# KiCad board CTS-SAT-2-OBC-PCB.kicad_pcb
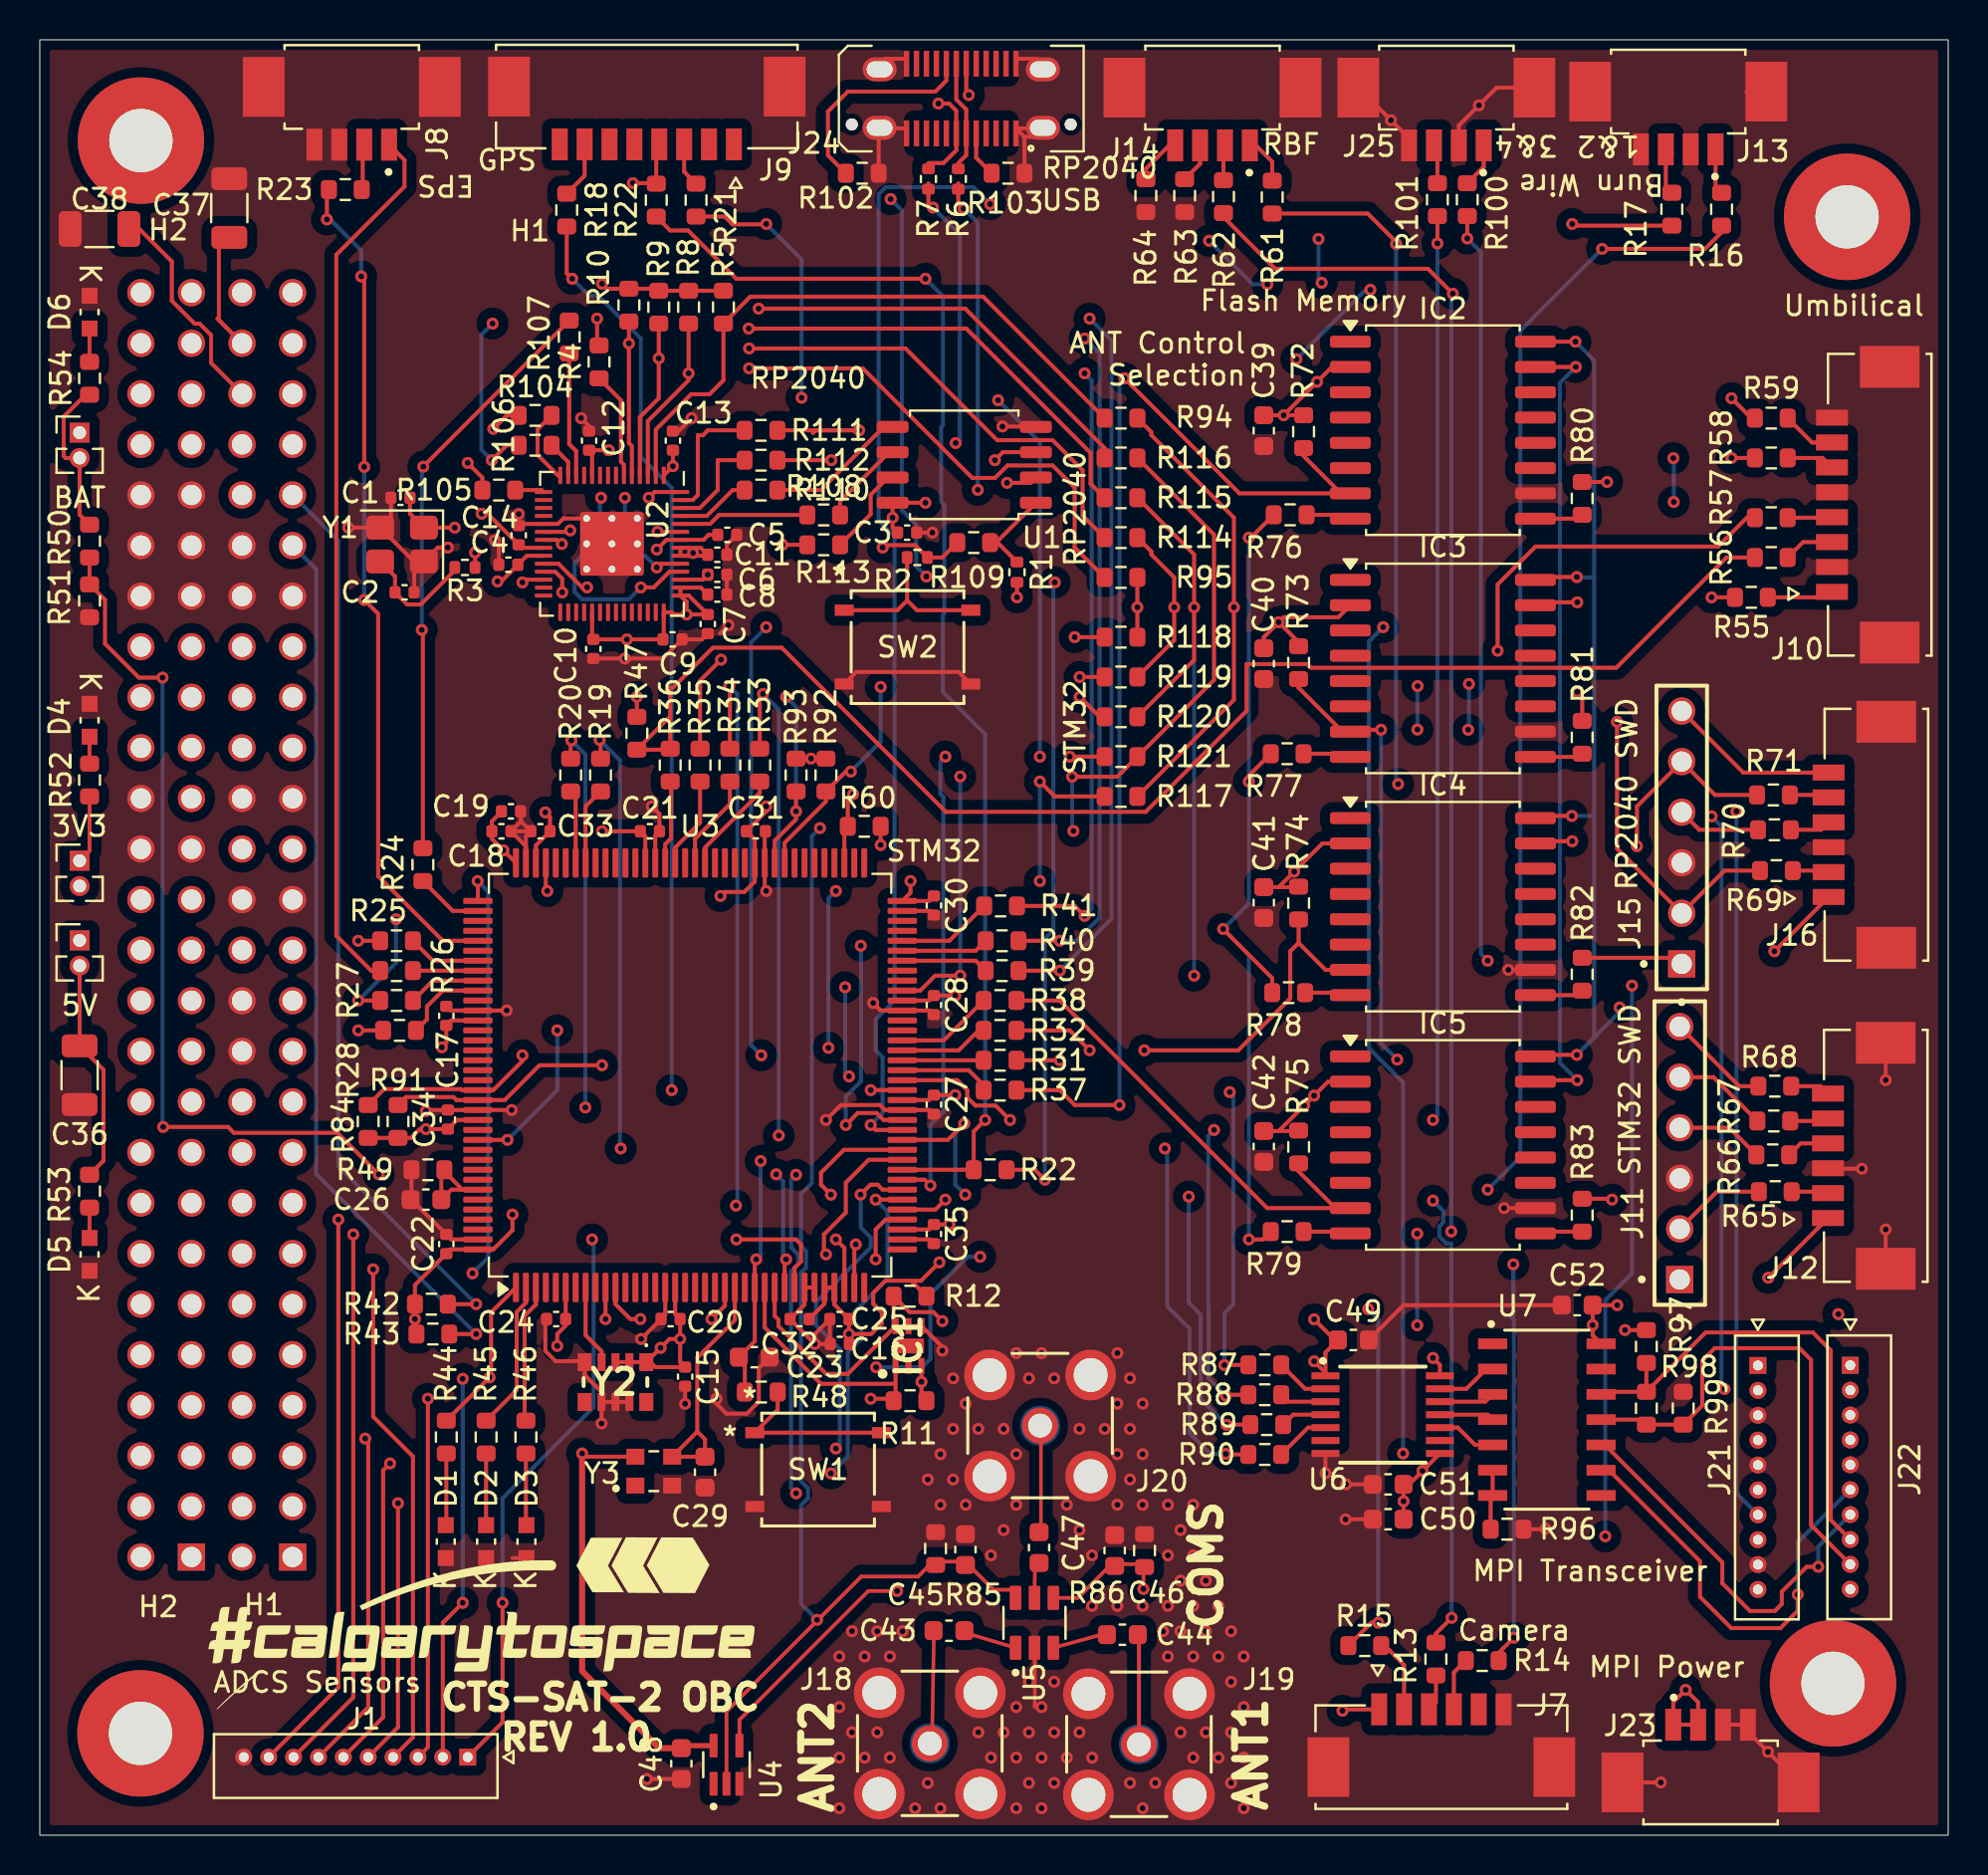
[diagram p0: board, top side]
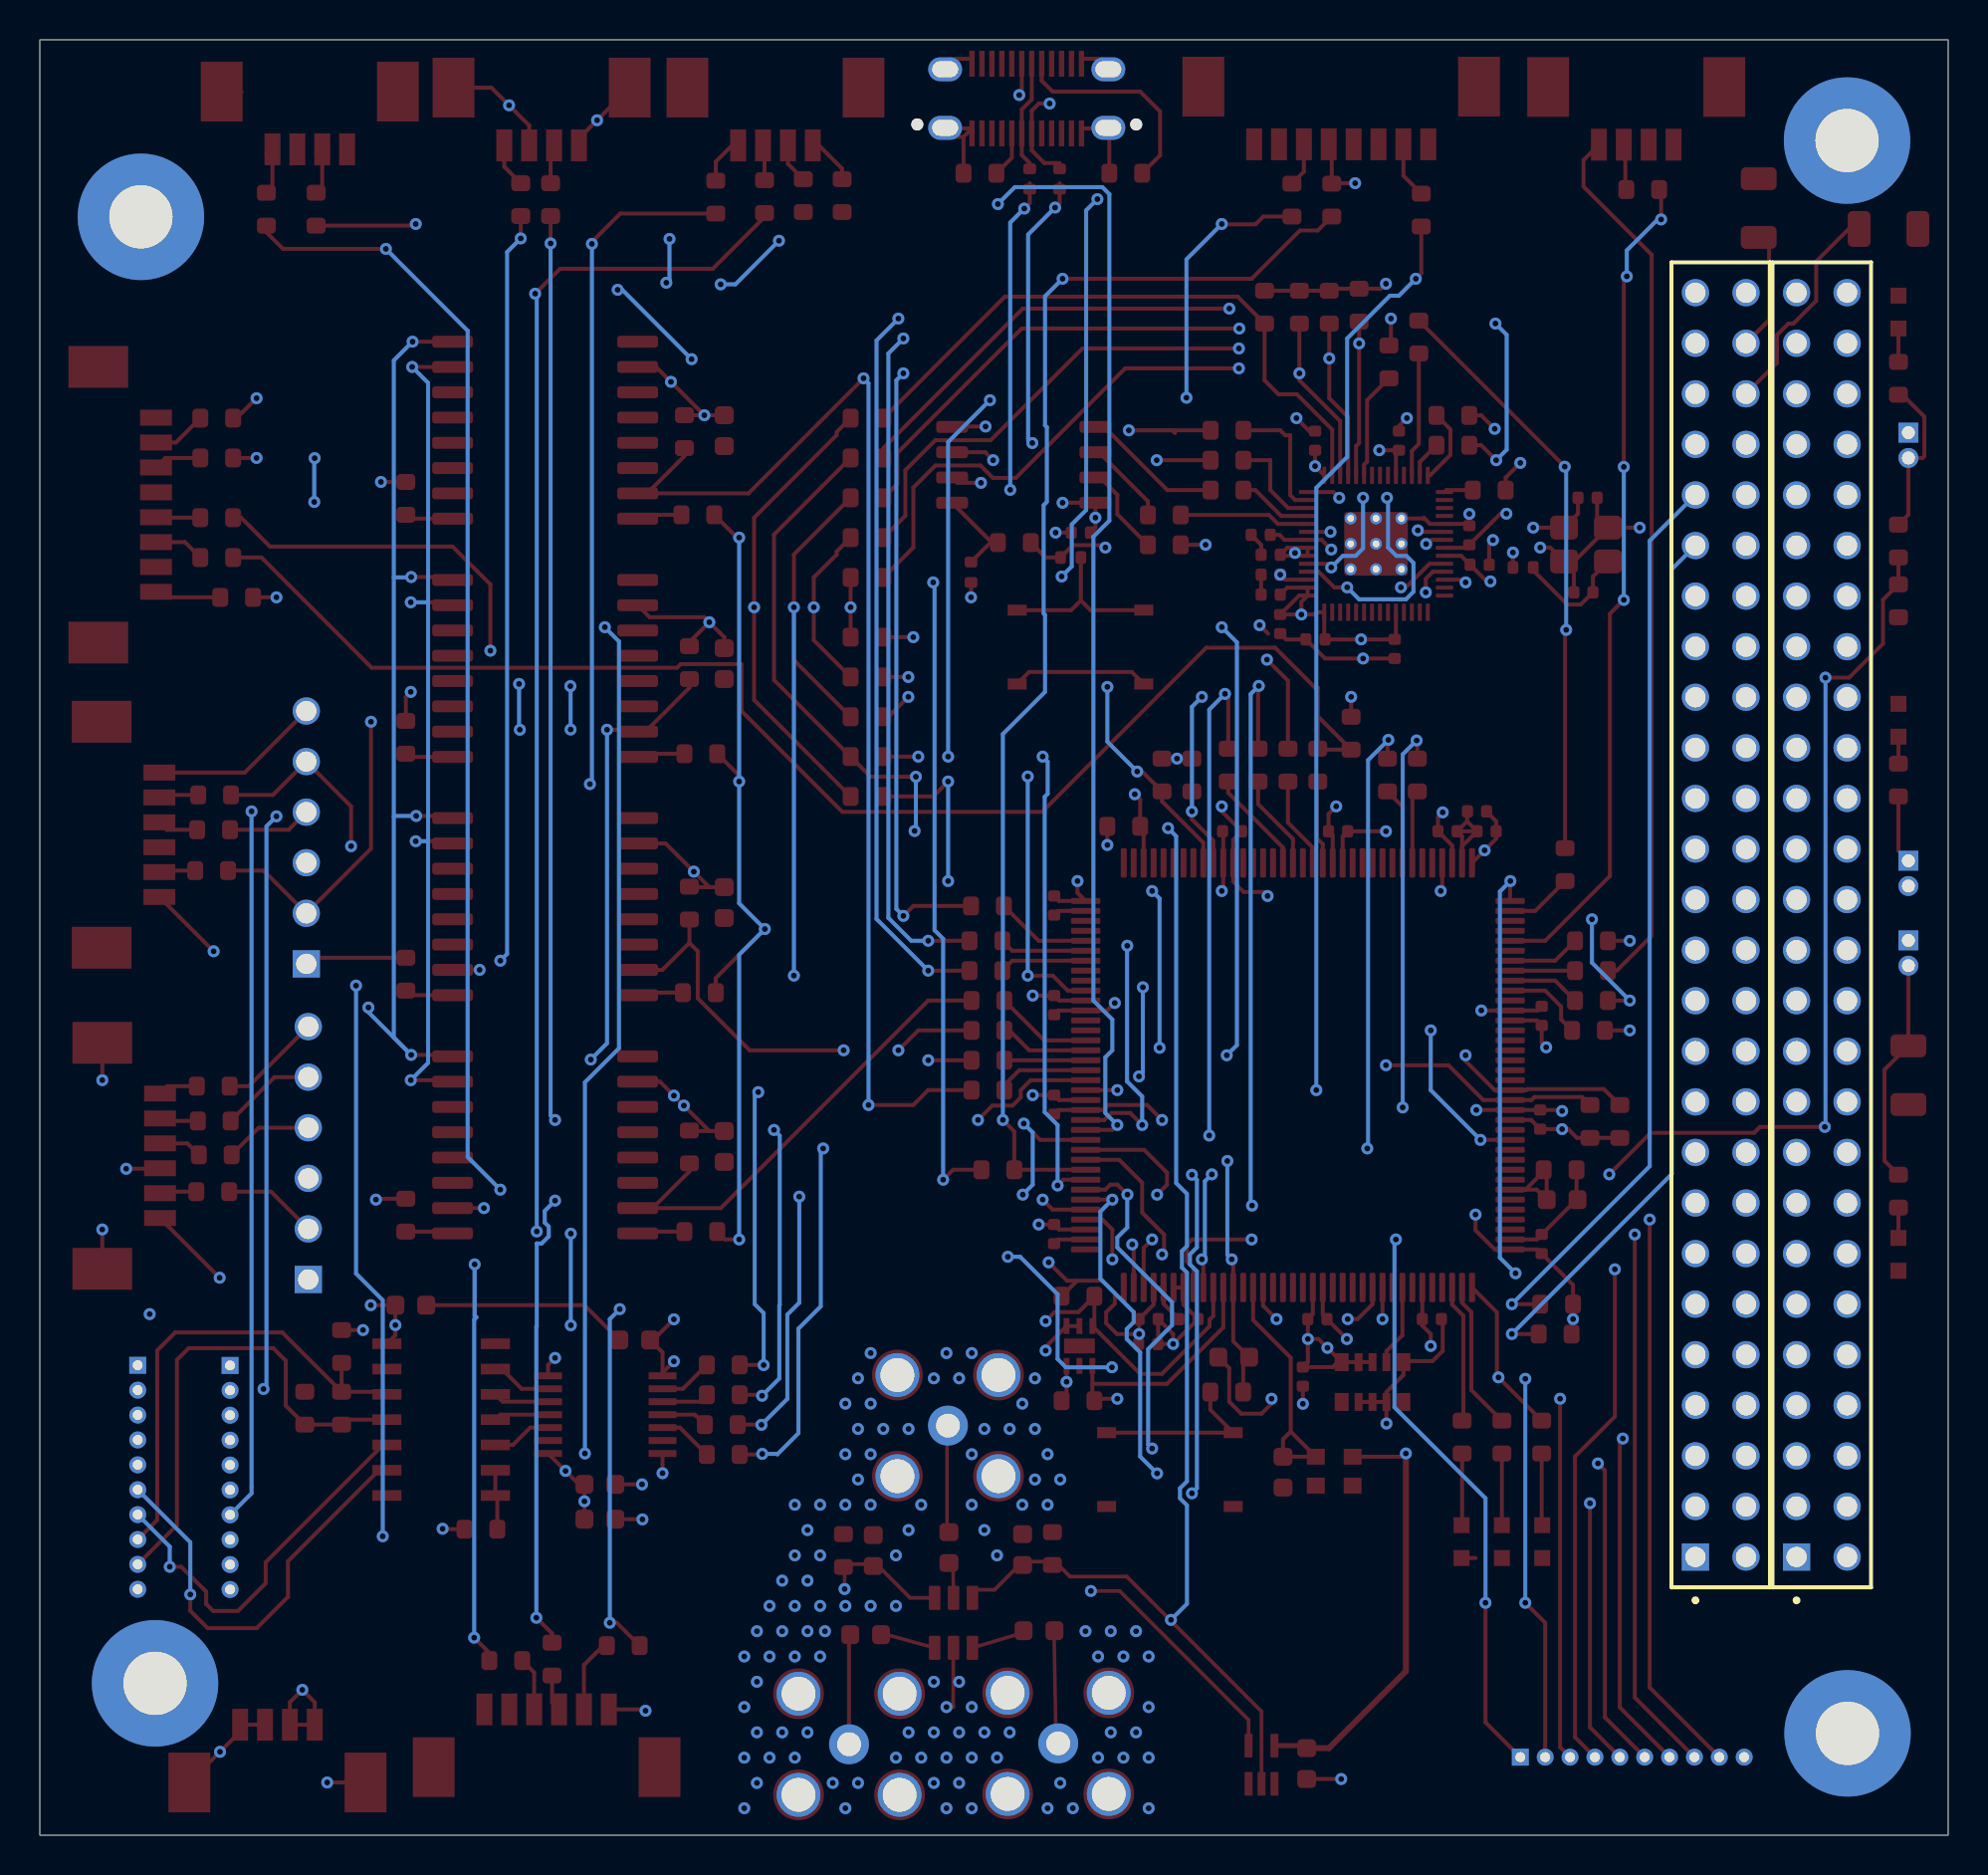
[diagram p1: board, bottom side, seen from below]

Outline 95.89 x 90.17 mm; copper layers: Top, In1.Cu, In2.Cu, In3.Cu, In4.Cu, Bottom. Coordinates in mm from the lower left corner of the outline.
Outline path: rectangle 0,90.17 95.89,0
Stack: Top 0.035mm / dielectric 0.1mm FR4 er 4.5 / In1.Cu 0.035mm / dielectric 0.535mm FR4 er 4.5 / In2.Cu 0.035mm / dielectric 0.1mm FR4 er 4.5 / In3.Cu 0.035mm / dielectric 0.535mm FR4 er 4.5 / In4.Cu 0.035mm / dielectric 0.1mm FR4 er 4.5 / Bottom 0.035mm

## Placement (name value [footprint] x y rotation side)
*1  PC104 Mounting  [PC104 MOUNTING POINTS#2]  5.08 85.09 0 top
*2  PC104 Mounting  [PC104 MOUNTING POINTS#2]  90.81 81.28 0 top
*3  PC104 Mounting  [PC104 MOUNTING POINTS#2]  5.08 5.08 0 top
*4  PC104 Mounting  [PC104 MOUNTING POINTS]  90.81 7.62 0 top
C1  15p  [C_0402_1005Metric]  18.12 67.17 180 top
C2  15p  [C_0402_1005Metric]  18.33 62.42 0 top
C3  100n  [C_0402_1005Metric]  43.58 65.42 0 top
C4  100n  [C_0402_1005Metric]  23.54 63.81 180 top
C5  100n  [C_0402_1005Metric]  34.54 65.31 0 top
C6  1u  [C_0402_1005Metric]  34.04 63.31 0 top
C7  100n  [C_0402_1005Metric]  33.56 60.83 270 top
C8  1u  [C_0402_1005Metric]  34.04 62.31 0 top
C9  100n  [C_0402_1005Metric]  31.79 60.06 0 top
C10  100n  [C_0402_1005Metric]  27.81 59.58 270 top
C11  100n  [C_0402_1005Metric]  34.04 64.31 0 top
C12  100n  [C_0402_1005Metric]  27.6 70.04 90 top
C13  100n  [C_0402_1005Metric]  31.81 70.04 90 top
C14  100n  [C_0402_1005Metric]  24.06 65.29 90 top
C15  100n  [C_0402_1005Metric]  32.43 23.03 270 top
C16  1u  [C_0402_1005Metric]  40.19 24.67 180 top
C17  100n  [C_0402_1005Metric]  20.42 41.15 90 top
C18  100n  [C_0402_1005Metric]  23.19 50.42 0 top
C19  4.7u  [C_0402_1005Metric]  23.67 51.42 0 top
C20  100n  [C_0402_1005Metric]  31.69 25.92 180 top
C21  100n  [C_0402_1005Metric]  30.66 50.42 0 top
C22  100n  [C_0402_1005Metric]  20.42 29.69 90 top
C23  100n  [C_0603_1608Metric]  35.9 24.01 0 top
C24  100n  [C_0402_1005Metric]  25.94 25.92 180 top
C25  100n  [C_0402_1005Metric]  40.18 25.92 180 top
C26  100n  [C_0603_1608Metric]  19.4 31.92 180 top
C27  100n  [C_0402_1005Metric]  44.93 36.69 270 top
C28  100n  [C_0402_1005Metric]  44.93 41.69 270 top
C29  15p  [C_0603_1608Metric]  33.43 18.23 270 top
C30  100n  [C_0402_1005Metric]  44.93 46.69 270 top
C31  100n  [C_0402_1005Metric]  35.98 50.42 0 top
C32  100n  [C_0402_1005Metric]  38.18 25.92 180 top
C33  100n  [C_0402_1005Metric]  25.16 50.42 180 top
C34  100n  [C_0402_1005Metric]  20.5 35.94 90 top
C35  100n  [C_0402_1005Metric]  44.93 30.19 270 top
C36  4.7uF  [C_1206_3216Metric]  2 38.17 270 top
C37  4.7uF  [C_1206_3216Metric]  9.52 81.72 90 top
C38  4.7uF  [C_1206_3216Metric]  3 80.67 180 top
C39  0.1u  [C_0603_1608Metric]  61.5 70.54 90 top
C40  0.1u  [C_0603_1608Metric]  61.5 58.84 90 top
C41  0.1u  [C_0603_1608Metric]  61.5 46.84 90 top
C42  0.1u  [C_0603_1608Metric]  61.5 34.59 90 top
C43  100pF  [C_0603_1608Metric]  45.68 10.27 0 top
C44  100pF  [C_0603_1608Metric]  54.39 10.07 180 top
C45  33 pF  [C_0603_1608Metric]  46.51 14.34 90 top
C46  33 pF  [C_0603_1608Metric]  54.01 14.29 270 top
C47  100pF  [C_0603_1608Metric]  50.21 14.44 90 top
C48  0.1uF  [C_0603_1608Metric]  32.23 3.59 90 top
C49  0.1uF  [C_0603_1608Metric]  66 24.87 0 top
C50  1uF  [C_0603_1608Metric]  67.75 15.87 0 top
C51  0.1uF  [C_0603_1608Metric]  67.75 17.62 180 top
C52  0.1uF  [C_0603_1608Metric]  77.25 26.62 180 top
D1  LED  [D-SML-D12U1WT86]  20.4 14.74 90 top
D2  LED  [D-SML-D12U1WT86]  22.42 14.74 90 top
D3  LED  [D-SML-D12U1WT86]  24.45 14.74 90 top
D4  LED  [D-SML-D12U1WT86]  2.5 55.99 270 top
D5  LED  [D-SML-D12U1WT86]  2.5 29.17 90 top
D6  LED  [D-SML-D12U1WT86]  2.5 76.49 270 top
IC1  STTS22HTR  [SON65P200X200X55-7N-D]  43.65 24.57 90 top
IC2  MT29F1G01ABAFDSF-AAT_F_TR  [SOIC-16W_7.5x10.3mm_P1.27mm]  70.5 70.56 0 top
IC3  MT29F1G01ABAFDSF-AAT_F_TR  [SOIC-16W_7.5x10.3mm_P1.27mm]  70.5 58.6 0 top
IC4  MT29F1G01ABAFDSF-AAT_F_TR  [SOIC-16W_7.5x10.3mm_P1.27mm]  70.5 46.63 0 top
IC5  MT29F1G01ABAFDSF-AAT_F_TR  [SOIC-16W_7.5x10.3mm_P1.27mm]  70.5 34.67 0 top
J1  -  [J-0530471010]  21.5 3.92 0 top
J2  2-Pin Header  [PinHeader_1x02_P1.27mm_Vertical]  2 48.94 0 top
J3  ESQ-126-14-G-D  [SAMTEC_ESQ-126-14-G-D]  12.7 13.97 270 bottom
J4  ESQ-126-14-G-D  [SAMTEC_ESQ-126-14-G-D]  7.62 13.97 270 bottom
J5  2-Pin Header  [PinHeader_1x02_P1.27mm_Vertical]  2 70.44 0 top
J6  2-Pin Header  [PinHeader_1x02_P1.27mm_Vertical]  2 44.94 0 top
J7  -  [J-0532610671]  70.43 3.92 0 top
J8  J-0532610471  [J-53261-0471]  15.67 84.9 180 top
J9  J-0532610871  [J-532610871]  30.5 87.32 180 top
J10  J-0532610871  [J-532610871]  92.45 66.82 90 top
J11  -  [J-TSW-106-05-T-S]  82.4 27.91 90 top
J12  -  [J-0532610671]  92.25 34.12 90 top
J13  J-0532610471  [J-53261-0471]  82.32 84.67 180 top
J14  J-0532610471  [J-53261-0471]  58.93 84.87 180 top
J15  -  [J-TSW-106-05-T-S]  82.5 43.76 90 top
J16  -  [J-0532610671]  92.28 50.24 90 top
J18  252105  [J-252105]  44.72 4.61 0 top
J19  252105  [J-252105]  55.23 4.56 0 top
J20  252105  [J-252105]  50.26 20.57 0 top
J21  -  [J-0530471010]  86.33 23.59 90 top
J22  -  [J-0530471010]  90.97 23.6 90 top
J23  J-0532610471  [J-53261-0471]  83.95 5.55 0 top
J24  USB_C_Receptacle_USB2.0_14P  [USB_C_Receptacle_JAE_DX07S024WJ3R400]  46.3 87.22 180 top
J25  J-0532610471  [J-53261-0471]  70.68 84.87 180 top
R1  10k  [R_0402_1005Metric]  49.1 63.43 270 top  (not fitted)
R2  1k  [R_0402_1005Metric]  44.09 64.17 180 top
R3  1k  [R_0402_1005Metric]  21.36 63.67 180 top
R4  0R  [R_0603_1608Metric]  28.1 73.99 90 top
R5  4k7  [R_0603_1608Metric]  34.35 76.74 270 top
R6  27.4  [R_0402_1005Metric]  46.15 83.18 270 top
R7  27.4  [R_0402_1005Metric]  44.65 83.18 270 top
R8  4k7  [R_0603_1608Metric]  32.6 76.74 270 top
R9  4k7  [R_0603_1608Metric]  31.1 76.74 270 top
R10  4k7  [R_0603_1608Metric]  29.6 76.84 270 top
R11  4k7  [R_0603_1608Metric]  43.72 21.82 180 top
R12  4k7  [R_0603_1608Metric]  43.72 27.07 180 top
R13  22R  [R_0603_1608Metric]  70.15 8.84 270 top
R14  0R  [R_0603_1608Metric]  72.47 8.77 180 top
R15  0R  [R_0603_1608Metric]  66.57 9.52 0 top
R16  22R  [R_0603_1608Metric]  84.5 81.66 90 top
R17  22R  [R_0603_1608Metric]  82 81.66 90 top
R18  0R  [R_0603_1608Metric]  26.47 81.62 270 top
R19  22R  [R_0603_1608Metric]  28.18 53.24 90 top
R20  0R  [R_0603_1608Metric]  26.67 53.24 90 top
R21  22R  [R_0603_1608Metric]  32.97 82.12 90 top
R22  0R  [R_0603_1608Metric]  30.97 82.12 90 top
R22#2  0R  [R_0603_1608Metric]  47.75 33.42 0 top
R23  22R  [R_0603_1608Metric]  15.35 82.65 0 top
R24  22R  [R_0603_1608Metric]  19.25 48.74 270 top
R25  22R  [R_0603_1608Metric]  17.92 44.92 0 top
R26  0R  [R_0603_1608Metric]  17.92 43.42 0 top
R27  0R  [R_0603_1608Metric]  17.92 41.92 0 top
R28  22R  [R_0603_1608Metric]  18.08 40.42 0 top
R31  22R  [R_0603_1608Metric]  48.25 38.92 0 top
R32  22R  [R_0603_1608Metric]  48.25 40.42 0 top
R33  0R  [R_0603_1608Metric]  36.18 53.74 90 top
R34  22R  [R_0603_1608Metric]  34.68 53.74 90 top
R35  22R  [R_0603_1608Metric]  33.18 53.74 90 top
R36  0R  [R_0603_1608Metric]  31.68 53.74 270 top
R37  22R  [R_0603_1608Metric]  48.25 37.42 0 top
R38  22R  [R_0603_1608Metric]  48.25 41.92 0 top
R39  22R  [R_0603_1608Metric]  48.35 43.42 0 top
R40  0R  [R_0603_1608Metric]  48.35 44.92 0 top
R41  22R  [R_0603_1608Metric]  48.28 46.67 0 top
R42  4k7  [R_0603_1608Metric]  19.67 26.67 180 top
R43  4k7  [R_0603_1608Metric]  19.75 25.17 180 top
R44  4k7  [R_0603_1608Metric]  20.42 19.99 270 top
R45  4k7  [R_0603_1608Metric]  22.42 19.99 270 top
R46  4k7  [R_0603_1608Metric]  24.42 19.99 270 top
R47  4k7  [R_0603_1608Metric]  30 55.34 270 top
R48  1k  [R_0603_1608Metric]  36.25 22.26 0 top
R49  1k  [R_0603_1608Metric]  19.5 33.42 180 top
R50  10K  [R_0603_1608Metric]  2.5 64.99 270 top
R51  10K  [R_0603_1608Metric]  2.5 61.99 270 top
R52  220R  [R_0603_1608Metric]  2.5 52.99 90 top
R53  220R  [R_0603_1608Metric]  2.5 32.34 270 top
R54  10k  [R_0603_1608Metric]  2.5 73.17 90 top
R55  0R  [R_0603_1608Metric]  86 62.17 0 top
R56  0R  [R_0603_1608Metric]  87 64.17 0 top
R57  0R  [R_0603_1608Metric]  87 66.17 0 top
R58  0R  [R_0603_1608Metric]  87 69.17 180 top
R59  0R  [R_0603_1608Metric]  87 71.17 180 top
R60  4K7  [R_0603_1608Metric]  41.43 50.67 0 top
R61  22R  [R_0603_1608Metric]  61.93 82.27 90 top
R62  0R  [R_0603_1608Metric]  59.47 82.29 90 top
R63  0R  [R_0603_1608Metric]  57.53 82.34 90 top
R64  0R  [R_0603_1608Metric]  55.57 82.34 90 top
R65  0R  [R_0603_1608Metric]  87.2 32.32 0 top
R66  0R  [R_0603_1608Metric]  87.07 34.17 0 top
R67  4K7  [R_0603_1608Metric]  87.12 35.87 0 top
R68  0R  [R_0603_1608Metric]  87.18 37.62 0 top
R69  0R  [R_0603_1608Metric]  87.26 48.44 0 top
R70  0R  [R_0603_1608Metric]  87.16 50.49 0 top
R71  4K7  [R_0603_1608Metric]  87.11 52.24 0 top
R72  10k  [R_0603_1608Metric]  63.5 70.49 270 top
R73  10k  [R_0603_1608Metric]  63.25 58.89 270 top
R74  10k  [R_0603_1608Metric]  63.25 46.81 270 top
R75  10k  [R_0603_1608Metric]  63.25 34.56 270 top
R76  22R  [R_0603_1608Metric]  62.82 66.31 180 top
R77  22R  [R_0603_1608Metric]  62.68 54.31 180 top
R78  22R  [R_0603_1608Metric]  62.75 42.31 180 top
R79  22R  [R_0603_1608Metric]  62.68 30.31 180 top
R80  10k  [R_0603_1608Metric]  77.5 67.14 90 top
R81  10k  [R_0603_1608Metric]  77.5 55.14 90 top
R82  10k  [R_0603_1608Metric]  77.5 43.24 90 top
R83  10k  [R_0603_1608Metric]  77.5 31.14 90 top
R84  4k7  [R_0603_1608Metric]  16.5 35.84 270 top
R85  10K  [R_0603_1608Metric]  45.01 14.39 90 top
R86  10K  [R_0603_1608Metric]  55.51 14.29 270 top
R87  0R  [R_0603_1608Metric]  61.55 23.62 0 top
R88  0R  [R_0603_1608Metric]  61.55 22.12 0 top
R89  22R  [R_0603_1608Metric]  61.65 20.62 180 top
R90  22R  [R_0603_1608Metric]  61.55 19.12 180 top
R91  4k7  [R_0603_1608Metric]  18 35.84 270 top
R92  4k7  [R_0603_1608Metric]  39.5 53.24 90 top
R93  4k7  [R_0603_1608Metric]  38 53.24 90 top
R94  0R  [R_0603_1608Metric]  54.32 71.17 180 top
R95  0R  [R_0603_1608Metric]  54.32 63.17 180 top
R96  100R  [R_0603_1608Metric]  73.72 15.37 180 top
R97  1K  [R_0603_1608Metric]  80.72 24.54 90 top
R98  100R  [R_0603_1608Metric]  80.72 21.44 90 top
R99  1K  [R_0603_1608Metric]  82.57 21.44 270 top
R100  22R  [R_0603_1608Metric]  71.72 82.14 90 top
R101  22R  [R_0603_1608Metric]  70.22 82.14 90 top
R102  5k1  [R_0603_1608Metric]  41.32 83.47 0 top
R103  5k1  [R_0603_1608Metric]  48.65 83.47 0 top
R104  22R  [R_0603_1608Metric]  24.89 71.31 0 top
R105  0R  [R_0603_1608Metric]  23.06 67.56 0 top
R106  0R  [R_0603_1608Metric]  24.89 69.81 0 top
R107  0R  [R_0603_1608Metric]  26.6 75.24 270 top
R108  22R  [R_0603_1608Metric]  39.39 66.31 0 top
R109  22R  [R_0603_1608Metric]  46.93 64.92 0 top
R110  22R  [R_0603_1608Metric]  36.24 67.56 0 top
R111  22R  [R_0603_1608Metric]  36.24 70.56 0 top
R112  22R  [R_0603_1608Metric]  36.24 69.06 0 top
R113  22R  [R_0603_1608Metric]  39.39 64.81 0 top
R114  0R  [R_0603_1608Metric]  54.32 65.17 180 top
R115  0R  [R_0603_1608Metric]  54.32 67.17 180 top
R116  0R  [R_0603_1608Metric]  54.32 69.17 180 top
R117  0R  [R_0603_1608Metric]  54.32 52.17 180 top
R118  0R  [R_0603_1608Metric]  54.32 60.17 180 top
R119  0R  [R_0603_1608Metric]  54.32 58.17 180 top
R120  0R  [R_0603_1608Metric]  54.32 56.17 180 top
R121  0R  [R_0603_1608Metric]  54.32 54.17 180 top
SW1  SW_Push_Dual  [SMT_FS]  39.11 18.36 0 top
SW2  SW_Push_Dual  [SMT_FS]  43.6 59.67 0 top
U1  W25Q128JVS  [SOIC-8_5.23x5.23mm_P1.27mm]  46.45 68.82 180 top
U2  RP2040  [RP2040-QFN-56]  28.75 64.86 270 top
U3  STM32L4R5ZITx  [LQFP-144_20x20mm_P0.5mm]  32.68 38.17 90 top
U4  SN74LVC1G14DCKR  [U-SN74LVC1G14DCKR]  34.5 3.54 90 top
U5  HMC544AE  [U-HMC544AETR]  49.98 10.66 90 top
U6  -  [U-MAX3378EEUD+T]  67.47 21.12 270 top
U7  MAX3086EESD+T  [U-MAX3086EESD+T]  75.72 20.87 0 top
Y1  ABM8-272-T3  [Crystal_SMD_3225-4Pin_3.2x2.5mm]  18.2 64.82 180 top
Y2  TG-3541CE_32.7680KXB3  [TG3541CE327680KXB3]  28.93 22.76 180 top
Y3  ECS-TXO-2520-33-250-AN-TR  [OSC_ECS-TXO-2520-33-250-AN-TR]  30.85 18.28 0 top

## Library data of the parts
C1-C22 C24 C25 C27 C28 C30-C35 = -: ki_fp_filters: C_*
C23 C26 C29 C39-C42 = -: Description: Unpolarized capacitor; ki_fp_filters: C_*
C36-C38 = -: Description: Polarized capacitor; ki_fp_filters: CP_*
C43 C44 C47 = -: Description: CAP CER 100PF 50V X7R 0603; COMPONENTLINK1DESCRIPTION: Datasheet; COMPONENTLINK1URL: https://ds.yuden.co.jp/TYCOMPAS/ut/detail?pn=TMK105BJ104KV-F%20%20&u=M; COMPONENTLINK2DESCRIPTION: Manufacturer Website; DISTRIBUTOR: Digikey; DISTRIBUTOR PART #: 311-3601-1-ND; MANUFACTURER: YAGEO; MANUFACTURER PART #: CC0603KRX7R9BB101; PART DESCRIPTION: CAP CER 100PF 50V X7R 0603; COMPONENTLINK2URL: https://www.yuden.co.jp/or/; ki_fp_filters: *0603*
C45 C46 = -: Description: CAP CER 33PF 50V X7R 0603; COMPONENTLINK1DESCRIPTION: Datasheet; COMPONENTLINK1URL: https://ds.yuden.co.jp/TYCOMPAS/ut/detail?pn=TMK105BJ104KV-F%20%20&u=M; COMPONENTLINK2DESCRIPTION: Manufacturer Website; DISTRIBUTOR: Digikey; DISTRIBUTOR PART #: 399-C0603C330K5RAC7867CT-ND; MANUFACTURER: KEMET; MANUFACTURER PART #: C0603C330K5RAC7867; PART DESCRIPTION: CAP CER 33PF 50V X7R 0603; COMPONENTLINK2URL: https://www.yuden.co.jp/or/; ki_fp_filters: *0603*
C48 C49 C51 C52 = -: Description: 25V 100nF X7R ±10% 0603 Multilayer Ceramic Capacitors MLCC - SMD/SMT ROHS; COMPONENTLINK1DESCRIPTION: Datasheet; COMPONENTLINK1URL: https://ds.yuden.co.jp/TYCOMPAS/ut/detail?pn=TMK105BJ104KV-F%20%20&u=M; COMPONENTLINK2DESCRIPTION: Manufacturer Website; DISTRIBUTOR: LCSC; DISTRIBUTOR PART #: C354391; MANUFACTURER: Murata Electronics; MANUFACTURER PART #: GCJ188R71E104KA12D; PART DESCRIPTION: 25V 100nF X7R ±10% 0603 Multilayer Ceramic Capacitors MLCC - SMD/SMT ROHS; COMPONENTLINK2URL: https://www.yuden.co.jp/or/; HIGHEST RATED OPERATING TEMPERATURE: 125; LOWEST RATED OPERATING TEMPERATURE: -55; MAX EXPOSED VOLTAGE: 6; RATED VOLTAGE: 25; ki_fp_filters: *0603*
C50 = -: Description: CAP CER 1UF 25V X7R 0603; COMPONENTLINK1DESCRIPTION: Datasheet; COMPONENTLINK1URL: https://www.yageo.com/upload/media/product/productsearch/datasheet/mlcc/UPY-GPHC_X7R_6.3V-to-50V_18.pdf; COMPONENTLINK2DESCRIPTION: Manufacture Website; COMPONENTLINK2URL: https://www.yageo.com/en/Home; DISTRIBUTOR: Digikey; DISTRIBUTOR PART #: 311-1802-1-ND; MANUFACTURER: Yageo; MANUFACTURER PART #: CC0603KRX7R8BB105; PART DESCRIPTION: CAP CER 1UF 25V X7R 0603; SIGNALCRAFT PART #: CC-105-K-25V-X7R-0603; ki_fp_filters: *0603*
D1-D6 = -: Description: Light emitting diode; Sim.Pins: 1=K 2=A; ki_fp_filters: LED* LED_SMD:* LED_THT:*
IC1 = -: Datasheet: https://www.st.com/resource/en/datasheet/stts22h.pdf; Description: Board Mount Temperature Sensors Low-voltage, ultra-low-power, 0.5 degree C accuracy I2C/SMBus 3.0 temperature sensor; Height: 0.55; Manufacturer_Name: STMicroelectronics; Mouser Part Number: 511-STTS22HTR; Mouser Price/Stock: https://www.mouser.co.uk/ProductDetail/STMicroelectronics/STTS22HTR?qs=%252B6g0mu59x7LCfjXXPvLkpg%3D%3D; Arrow Price/Stock: https://www.arrow.com/en/products/stts22htr/stmicroelectronics?utm_currency=USD&region=europe
IC2-IC5 = -: Description: 1Gb 3.3V x1, x2, x4: SPI NAND Flash Memory; Height: 2.65; Mouser Part Number: 340-312330-REEL; Mouser Price/Stock: https://www.mouser.co.uk/ProductDetail/Micron/MT29F1G01ABAFDSF-AATF-TR?qs=j%252B1pi9TdxUZnbzht528nZQ%3D%3D; Manufacturer_Name: Micron; Manufacturer_Part_Number: MT29F1G01ABAFDSF-AAT:F TR
J1 = -: Description: CONN HEADER VERT 10POS 1.25MM; Manufacturer: Molex; Manufacturer Part #: 0530471010; Distributor: Digikey; Distributor Part #: WM1739-ND; ki_fp_filters: *J-0530471010*
J2 J5 J6 = -: Description: Generic connector, double row, 02x01, this symbol is compatible with counter-clockwise, top-bottom and odd-even numbering schemes., script generated (kicad-library-utils/schlib/autogen/connector/); ki_fp_filters: Connector*:*_2x??_*
J3 J4 = -: PARTREV: R; STANDARD: Manufacturer Recommendations; MANUFACTURER: Samtec
J7 = -: Description: CONN HEADER SMD R/A 6POS 1.25MM; Manfacturer: Molex; Distributor: Digi-Key; Manfacturer Part #: 0532610671; Distributor Part #: WM7624CT-ND; ki_fp_filters: *J-0532610671*
J8 J13 J14 J23 J25 = -: Description: CONN HEADER SMD R/A 4POS 1.25MM; MANFACTURER PART #: 0532610471; MANFACTURER: Molex; DISTRIBUTOR PART #: WM7622CT-ND; DISTRIBUTOR: Digi-Key; ki_fp_filters: *J-53261-0471*
J9 J10 = -: Description: CONN HEADER SMD R/A 8POS 1.25MM; MANFACTURER PART #: 0532610871; MANFACTURER: Molex; DISTRIBUTOR PART #: WM7626CT-ND; DISTRIBUTOR: Digi-Key; ki_fp_filters: *J-532610871*
J11 J15 = -: Description: CONN HEADER VERT 6POS 2.54MM; DISTRBUTOR PART #: SAM12323-ND; DISTRBUTOR: None; MANUFACTURER PART #: TSW-106-05-T-S; MANUFACTURER: Samtec; PRICE: None; ki_fp_filters: *J-TSW-106-05-T-S*
J12 J16 = -: Description: CONN HEADER SMD R/A 6POS 1.25MM; MANFACTURER: Molex; DISTRIBUTOR: Digi-Key; MANFACTURER PART #: 0532610671; DISTRIBUTOR PART #: WM7624CT-ND; ki_fp_filters: *J-0532610671*
J18-J20 = -: Description: CONN MCX RCPT STR 50 OHM PCB; MANUFACTURER: Amphenol RF; DISTRIBUTOR PART #: ACX1262-ND; DISTRIBUTOR: Digikey; Manufacturer: Amphenol RF; Distributor Part #: ACX1262-ND; Distributor: Digikey; ki_fp_filters: *J-252105*
J21 J22 = -: Description: CONN HEADER VERT 10POS 1.25MM; MANUFACTURER: Molex; MANUFACTURER PART #: 0530471010; DISTRIBUTOR: Digikey; DISTRIBUTOR PART #: WM1739-ND; ki_fp_filters: *J-0530471010*
J24 = -: Datasheet: https://www.usb.org/sites/default/files/documents/usb_type-c.zip; Description: USB 2.0-only 14P Type-C Receptacle connector; ki_fp_filters: USB*C*Receptacle*
R1-R22 R22#2 R23-R28 R31-R54 R72-R84 R91-R95 R100-R121 = -: Description: Resistor, US symbol; ki_fp_filters: R_*
R55-R59 R62-R66 R68-R70 R87 R88 = -: Description: 0 Ohms Jumper 0.1W, 1/10W Chip Resistor 0603 (1608 Metric) Automotive AEC-Q200 Thick Film; COMPONENTLINK1DESCRIPTION: Datasheet; COMPONENTLINK1URL: https://industrial.panasonic.com/ww/products/resistors/chip-resistors/general-purpose-chip-resistors/models/ERJ2GE0R00X; COMPONENTLINK2DESCRIPTION: Manufacturer Website; DISTRIBUTOR: Digikey; DISTRIBUTOR PART #: RMCF0603ZT0R00CT-ND; MANUFACTURER: Stackpole Electronics Inc; MANUFACTURER PART #: RMCF0603ZT0R00; PART DESCRIPTION: 0 Ohms Jumper 0.1W, 1/10W Chip Resistor 0603 (1608 Metric) Automotive AEC-Q200 Thick Film; COMPONENTLINK2URL: https://industrial.panasonic.com/ww/products/resistors/chip-resistors/general-purpose-chip-resistors/models/ERJ2GE0R00X; ki_fp_filters: *0603*
R60 R67 R71 = -: Description: RES SMD 4.7K OHM 1% 1/10W 0603; COMPONENTLINK1DESCRIPTION: Datasheet; COMPONENTLINK1URL: https://www.vishay.com/docs/20035/dcrcwe3.pdf; COMPONENTLINK2DESCRIPTION: Manufacturer Website; DISTRIBUTOR: Digikey; DISTRIBUTOR PART #: CR0603-FX-4701ELFCT-ND; MANUFACTURER: Bourns Inc.; MANUFACTURER PART #: CR0603-FX-4701ELF; PART DESCRIPTION: RES SMD 4.7K OHM 1% 1/10W 0603; COMPONENTLINK2URL: https://www.vishay.com/; ki_fp_filters: *0603*